# Altium PCB Main.PcbDoc (part 2 of 2)
Units mil, origin at the board's own origin, x right, y up, seen from the top; angles counter-clockwise.
Board outline 3937.01 x 2322.83 mil, 4 copper layers (Top Layer, GND, Power, Bottom Layer), stack 23.756 mil thick; 61 components, 101 nets, 394 pads, 153 vias.
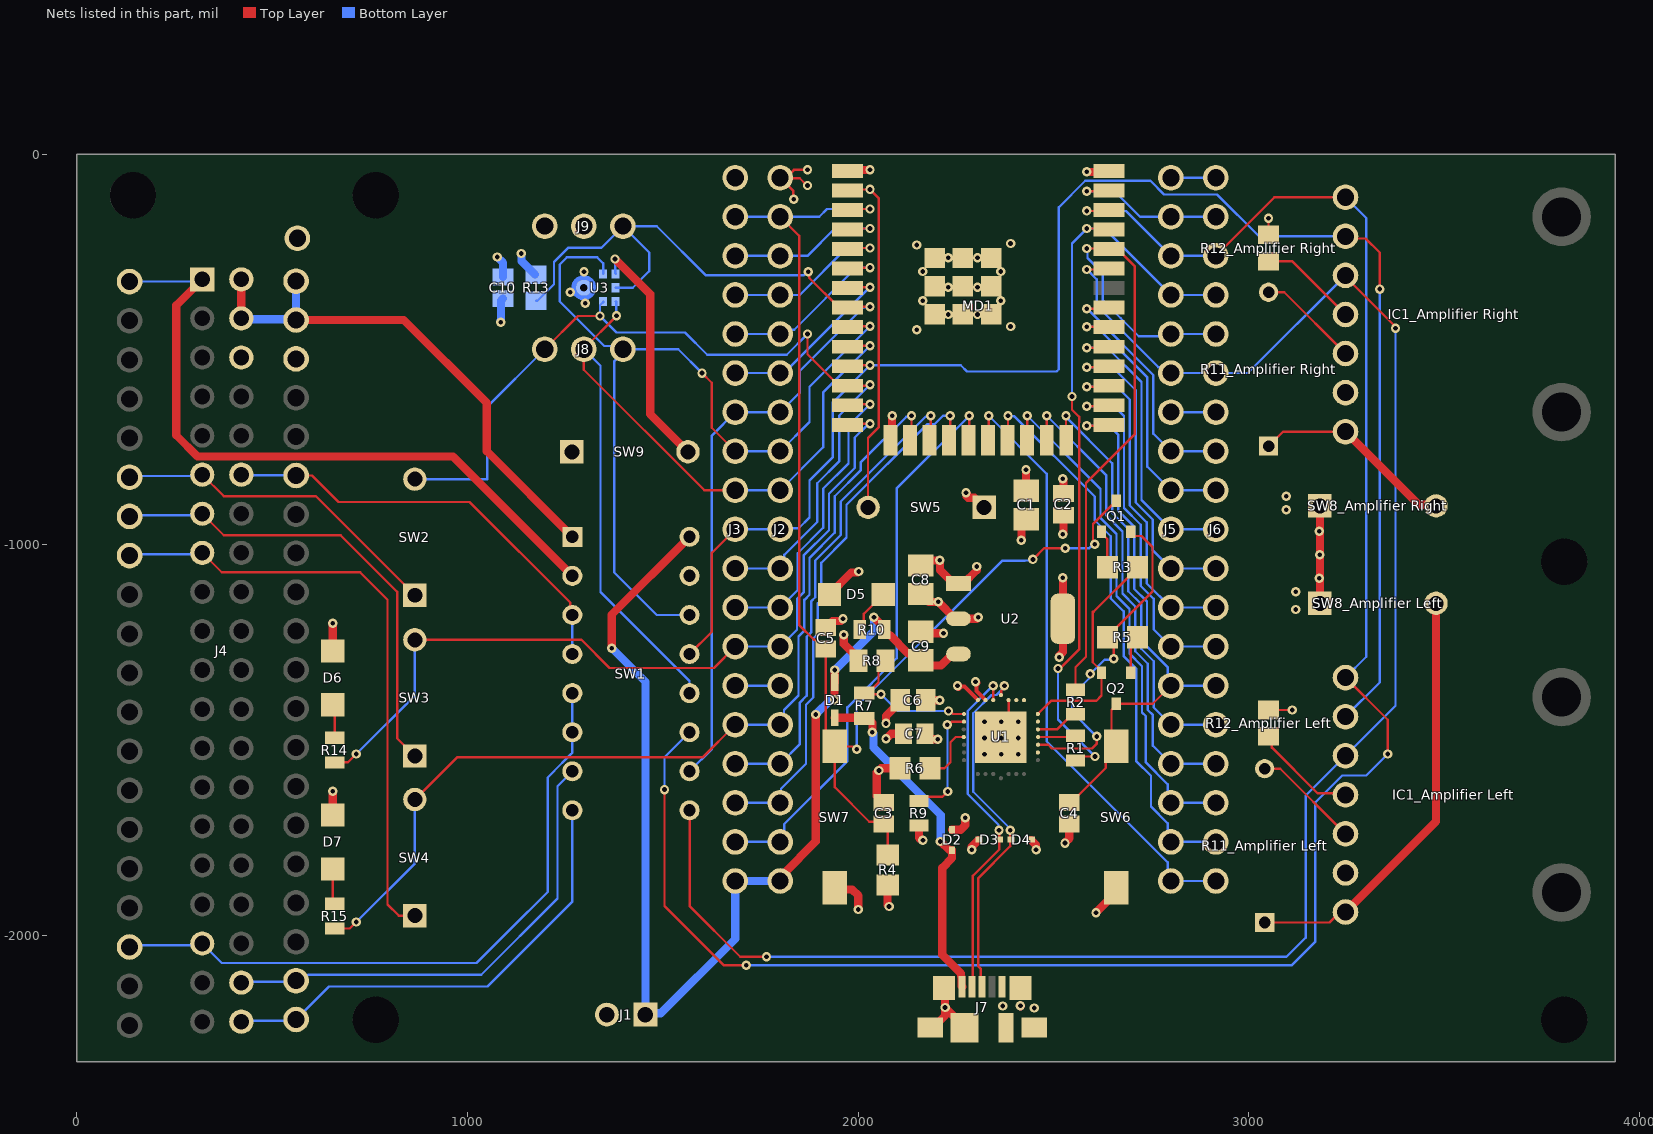
[diagram p4: the nets of this part, all layers, seen from the top]

## Via types
v1: diameter 24, hole 12, Top Layer to Bottom Layer, 153 vias

## Nets (pads, with @x,y where several pads share a name; then routed paths per layer and width w, separated by ;. In a path a pad name is that pad's centre, name@x,y a point inside that pad or via, vN(x,y) a via of type N, cw(c..) or ccw(c..) an arc to the next point about the centre after c; other vN are vias at no path point) (continued)
+3.3: C1.2 C2.2 C6.1 C7.2 C8.2 C10.1 J2.1 J3.1 J9.2 R4.2 R9.2 SW1.15 SW5.1 SW9.1 U1.6 U1.7 U2.2 U2.4 | length 1115.6
  Top Layer w6: J2.1@1800.04,-60 1833.8,-93.8 1833.8,-113.8 v1(1835,-115) ; J2.1@1800.04,-60 J2.1@1815.07,-60 ; v1(1870,-80) 1868.61,-80 1850.21,-61.6 1816.67,-61.6 J2.1@1815.07,-60 ; v1(1870,-40) 1835.07,-40 J2.1@1815.07,-60 ; v1(2275.63,-866.14) v1@2277.52,-868.03 ; v1@2277.52,-875.91 2280.55,-878.94 ; SW5.1@2297.36,-878.94 SW5.1@2322.28,-903.86 ; v1@2303.31,-1188.86 v1(2307.13,-1185.04) ; C1.2@2429.17,-860.16 C1.2@2430.04,-861.02 ; v1(2514.17,-1287.4) v1@2514.17,-1283.61 ; v1(2523.66,-830.71) v1@2525.04,-832.09
  Top Layer w10: v1@2256.68,-1362.68 2271.58,-1362.68 U1.7@2305.98,-1397.09 ; v1@2302.68,-1352.68 2302.68,-1374.1 U1.6@2325.67,-1397.09
  Top Layer w21: J9.2@1297.52,-184.06 J9.2@1306.04,-175.53 ; R4.2@2075.04,-1869.99 2075.04,-1921.46 v1(2078.78,-1925.2) ; R9.2@2155.04,-1718.07 2155.04,-1749.49 v1@2157.52,-1751.97 ; C8.2@2160.04,-1125.28 2180.43,-1145.67 v1(2204.76,-1145.67) 2204.76,-1146.48 2247.14,-1188.86 U2.2@2256.38,-1188.86 v1@2303.31,-1188.86 ; C7.2@2170.31,-1483.27 2184.05,-1497 v1(2203,-1497) ; C6.1@2172.31,-1397.64 v1(2208.7,-1397.64) ; v1(2254,-1360) v1@2256.68,-1362.68 ; v1@2277.52,-875.91 v1@2277.52,-868.03 ; 2280.55,-878.94 SW5.1@2297.36,-878.94 ; v1(2300,-1350) v1@2302.68,-1352.68 ; C1.2@2429.17,-860.16 v1(2429.17,-807.09) ; v1@2514.17,-1283.61 2523.7,-1274.08 U2.4@2523.7,-1188.86 v1(2523.7,-1083.7) ; C2.2@2525.04,-868.74 v1@2525.04,-832.09
  Bottom Layer w21: v1@1085,-425 1085.57,-424.43 1085.57,-373.99 C10.1@1090.47,-369.09
  other v1: 2165.39,-1755.91 1085,-430
+5: "SW8_Amplifier Left.1" "SW8_Amplifier Right.1" C9.2 D1.1 J1.1 J2.19 J3.19 pad.41 R10.2 SW1.16 U2.3 | length 3227.9
  Top Layer w6: J2.19@1800.04,-1860 J2.19@1808.31,-1851.73
  Top Layer w21: v1(1369,-1264) 1369,-1178.32 SW1.16@1568.19,-979.13 ; J2.19@1808.31,-1851.73 1808.31,-1841.69 1891,-1759 v1(1891,-1434) ; v1(1939,-1396) D1.1@1939,-1352.72 ; D1.1@1940,-1351.72 v1(1940,-1320) ; v1@2040.57,-1185.57 R10.2@2069.06,-1214.06 ; R10.2@2066.54,-1216.57 2066.54,-1225.43 2071.78,-1230.68 2080.64,-1230.68 2127.19,-1277.23 2142,-1277.23 C9.2@2160.04,-1295.28 2173.05,-1308.28 2211.72,-1308.28 2240.98,-1279.02 U2.3@2256.38,-1279.02 ; 3181.42,-1149.37 3181.42,-900
  Bottom Layer w6: J1.1@1455,-2201.91 J1.1@1458.57,-2198.35
  Bottom Layer w21: v1(1369,-1264) 1455,-1350 J1.1@1455,-2201.91 ; J1.1@1458.57,-2198.35 1494.65,-2198.35 1685.04,-2007.96 J3.19@1685.04,-1860 J2.19@1800.04,-1860 ; v1(1891,-1434) 1928.43,-1396.57 1938.43,-1396.57 v1(1939,-1396) ; v1(1940,-1320) 2040,-1220 v1(2040,-1185)
  other v1: 3120,-1165 3120,-1120 3180,-1085 3181.42,-1024.68 3180,-965 3095,-910 3095,-875
"BCLK_Amplifier Left": "IC1_Amplifier Left.2" "IC1_Amplifier Right.2" J2.10 J3.10 MD1.11 SW1.13 | length 4139.1
  Top Layer w6: SW1.13@1568.19,-1279.13 1625.24,-1222.08 1625.24,-1019.8 J3.10@1685.04,-960 ; MD1.11@1972.52,-542.48 1975,-540 v1(2030,-540) ; 3246.89,-210 3252.34,-215.45 3298.45,-215.45 3335,-252 v1(3335,-345)
  Bottom Layer w6: J3.10@1685.04,-960 J2.10@1800.04,-960 1802.85,-957.18 1847.82,-957.18 1875,-930 1875,-835 1935,-775 1935,-635 v1(2030,-540) 2262.47,-540 2278.47,-556 2507.14,-556 2513,-550.14 2513,-135.89 2580.89,-68 2747.55,-68 2782.32,-102.78 2918.31,-102.78 3025.53,-210 3246.89,-210 ; 3246.89,-1439.37 3335,-1351.26 v1(3335,-345)
CLK: J5.19 J6.19 MD1.20 | length 1562.1
  Top Layer w6: MD1.20@2332.17,-731.85 2333.81,-730.21 v1(2333.81,-669.29)
  Bottom Layer w6: v1(2333.81,-669.29) 2482,-817.48 2482,-1502.45 2791.77,-1812.22 2791.77,-1851.73 J5.19@2800.04,-1860 J6.19@2915.04,-1860
CMD: J2.18 J3.18 MD1.19 | length 1469.8
  Top Layer w6: MD1.19@2282.17,-731.85 2284.38,-729.64 v1(2284.38,-669.29)
  Bottom Layer w6: J3.18@1685.04,-1760 J2.18@1800.04,-1760 1810.67,-1749.37 1810.67,-1714.34 1972,-1553.01 1972,-1415.67 2098,-1289.67 2098,-855.67 v1(2284.38,-669.29)
CTS: U1.23
DCD: U1.1
"DIN_Amplifier Left": "IC1_Amplifier Left.3" "IC1_Amplifier Right.3" J5.6 J6.6 MD1.33 SW1.9 | length 4711.6
  Top Layer w6: SW1.9@1568.19,-1679.13 1568.19,-1924.19 1698,-2054 v1(1765,-2054) ; v1(2585,-295) 2639.29,-295 MD1.33@2641.81,-292.48 ; 3246.89,-310 3246.89,-313.44 3375,-441.56 v1(3375,-445)
  Bottom Layer w6: v1(1765,-2054) 3096,-2054 3145,-2005 3145,-1641.26 3246.89,-1539.37 3375,-1411.26 v1(3375,-445) ; v1(2585,-295) 2610.28,-320.28 2610.28,-387.28 2767.74,-544.74 2769.74,-544.74 2785.01,-560 J5.6@2800.04,-560 J6.6@2915.04,-560 2996.89,-560 3246.89,-310
DSR: U1.27
DTR: Q2.2 R3.2 U1.28 | length 569.7
  Top Layer w6: U1.28@2459.53,-1432.52 2493.05,-1399 2609,-1399 2622.64,-1385.36 Q2.2@2622.64,-1326.81 2622.64,-1322.87 2600,-1300.24 2600,-1170.53 2602.61,-1170.53 2714.46,-1058.69 R3.2@2714.46,-1056.57
EN: C3.2 C5.1 J2.2 J3.2 MD1.3 Q1.3 R4.1 SW7.2 | length 3270.2
  Top Layer w6: J2.2@1800.04,-160 1848.48,-208.44 1848.48,-1204.85 1886.28,-1242.65 1888.61,-1242.65 1912.08,-1266.12 C5.1@1917,-1266.12 1917,-1492.63 SW7.2@1940.04,-1515.67 ; MD1.3@1972.52,-142.48 1975,-140 v1(2030,-140) ; v1(1996,-1523) 1992.21,-1523 1984.88,-1515.67 SW7.2@1940.04,-1515.67 ; R4.1@2075.04,-1793.16 2075.04,-1724.13 2059.19,-1708.29 2028.29,-1708.29 1940.04,-1620.04 SW7.2@1940.04,-1515.67 ; v1(2447,-1037) 2476,-1008 v1(2530,-1008) ; v1(2605,-998.06) 2605,-994.27 2600.83,-990.1 2600.83,-946.45 2649.72,-897.56 2653.23,-897.56 2660.04,-890.75 Q1.3@2660.04,-887.24
  Bottom Layer w6: J3.2@1685.04,-160 1900,-160 1920,-140 v1(2030,-140) ; v1(1996,-1523) 1996,-1412.89 2368.89,-1040 2426,-1040 2426.32,-1039.68 2444.32,-1039.68 v1(2447,-1037) ; v1(2530,-1008) 2591.27,-1008 2601.21,-998.06 v1(2605,-998.06)
GND: "IC1_Amplifier Left.6" "IC1_Amplifier Right.6" "R12_Amplifier Left.1" "R12_Amplifier Right.1" C1.1 C2.1 C3.1 C4.2 C5.2 C6.2 C7.1 C8.1 C9.1 C10.2 D2.1 D3.1 D4.1 D5.1 D6.1 D7.1 J1.2 J2.14 J3.14 J4.6 J5.1 J5.7 J6.1 J6.7 J7.5 J7.6 J7.7 J7.8 J7.9 J7.10 J7.11 J9.1 MD1.1 MD1.15 MD1.38 MD1.39 pad.6 R6.1 R8.1 R13.2 SW6.1 SW7.1 U1.3 U1.29 U2.1 U3.3 | length 2402.7
  Top Layer w6: C5.2@1917,-1211 C5.2@1933.65,-1194.35 ; v1@1955.65,-1194.35 v1(1961,-1189) ; MD1.1@1972.52,-42.48 MD1.1@1975,-40 ; v1@1998.32,-1070.68 v1(2001,-1068) ; R8.1@2000.59,-1296.57 R8.1@2000.59,-1290.67 ; MD1.15@2082.17,-731.85 MD1.15@2086.65,-727.36 ; C6.2@2107.29,-1401.61 C6.2@2107.29,-1397.64 ; C9.1@2160.04,-1222.44 C9.1@2163.6,-1226 ; U2.1@2262.8,-1098.7 U2.1@2269.22,-1098.7 ; v1@2303.19,-1064.73 v1@2303.19,-1062.99 ; U1.29@2365.04,-1491.57 2384.72,-1471.89 U1.3@2384.72,-1397.09 ; C1.1@2417.36,-946.54 C1.1@2430.04,-933.86 ; v1(2523.66,-972.44) v1@2525.04,-971.06 ; MD1.38@2639.29,-45 MD1.38@2641.81,-42.48 ; 3050.04,-1422.38 v1(3110.38,-1422.38) ; 3050.04,-206.5 v1(3050.04,-163.96)
  Top Layer w21: D7.1@655,-1691.1 v1@655,-1640 ; D6.1@655,-1271.1 v1(655,-1200) ; D5.1@1926.14,-1126.57 1982.04,-1070.68 v1@1998.32,-1070.68 ; C5.2@1933.65,-1194.35 v1@1955.65,-1194.35 ; SW7.1@1940.04,-1877.48 1944.45,-1881.89 1984.29,-1881.89 2000.04,-1897.64 v1(2000.04,-1933.07) ; v1(1963,-1230) 1963,-1253.08 R8.1@2000.59,-1290.67 ; MD1.1@1975,-40 v1(2030,-40) ; C3.1@2065.04,-1659.02 2063.94,-1659.02 2047.28,-1642.36 2047.28,-1582.68 v1(2052.83,-1577.13) 2058.39,-1571.57 R6.1@2106.62,-1571.57 ; v1(2070.91,-1496.06) 2083.7,-1483.27 C7.1@2115.2,-1483.27 ; v1@2070.91,-1448.82 2070.91,-1437.99 C6.2@2107.29,-1401.61 ; MD1.15@2086.65,-727.36 v1(2086.65,-669.29) ; C8.1@2160.04,-1052.44 2173.11,-1039.37 v1@2200.83,-1039.37 ; C9.1@2163.6,-1226 v1(2218,-1226) ; J7.8@2184.19,-2235.38 2191.08,-2235.38 2221.59,-2204.87 2221.59,-2184.35 v1(2222.16,-2183.78) ; v1(2208.7,-1039.37) 2209.27,-1039.94 2209.27,-1064.44 2243.54,-1098.7 U2.1@2256.38,-1098.7 U2.1@2262.8,-1098.7 ; J7.6@2219.13,-2134 2221.59,-2136.45 2221.59,-2183.21 v1(2222.16,-2183.78) ; D2.1@2240,-1729.02 2261.98,-1729.02 2274,-1717 v1(2274,-1698) ; U2.1@2269.22,-1098.7 v1@2303.19,-1064.73 ; J7.9@2271.79,-2235.38 2271.79,-2233.41 v1(2222.16,-2183.78) ; v1(2290,-1780) 2290,-1772.44 2307.44,-1755 D3.1@2309.02,-1755 ; v1@2415,-2180.75 v1(2415,-2179) ; v1(2417.36,-988.19) C1.1@2417.36,-946.54 ; D4.1@2440.98,-1755 2442.56,-1755 2455,-1767.44 v1(2455,-1780) ; J7.11@2443.05,-2235.38 J7.11@2449.94,-2235.38 ; v1@2525.04,-971.06 C2.1@2525.04,-923.86 ; v1(2529,-1763) 2529,-1761.71 2540.04,-1750.68 C4.2@2540.04,-1714.13 ; v1(2585,-45) MD1.38@2639.29,-45 ; v1(2608.39,-1940.94) 2660.04,-1889.29 SW6.1@2660.04,-1877.48
  Bottom Layer w6: R13.2@1172.37,-308.04 R13.2@1175.47,-308.04 ; J3.14@1685.04,-1360 J2.14@1800.04,-1360 ; J5.7@2800.04,-660 J6.7@2915.04,-660 ; J5.1@2800.04,-60 J6.1@2915.04,-60
  Bottom Layer w21: v1(1076,-263) 1090.47,-277.47 C10.2@1090.47,-313.98 ; v1@1138,-264 1138,-273.67 R13.2@1172.37,-308.04
  other v1: 2450,-2185 2370,-2180 655,-1630 2322.87,-1535.43 2366.18,-1535.43 2409.49,-1535.43 2322.87,-1494.09 2366.18,-1494.09 2409.49,-1494.09 2070.91,-1456.69 2322.87,-1452.76 2366.18,-1452.76 2409.49,-1452.76 2303.19,-1055.12 2149.65,-448.82 2389.8,-440.94 2230,-410 2305,-410 1301,-381 2165,-375 2365,-375 1263,-353 2230,-340 2305,-340 1298,-301 2165,-300 2365,-300 2230,-265 2305,-265 1137,-254 2149.65,-232.28 2389.8,-228.35
IO0: C4.1 J5.14 J6.14 MD1.25 Q2.3 SW6.2 | length 1435.1
  Top Layer w6: C4.1@2540.04,-1659.02 2544.96,-1659.02 2633.54,-1570.43 2633.54,-1542.17 SW6.2@2660.04,-1515.67 2648,-1503.63 2648,-1422.32 2660.04,-1410.28 Q2.3@2660.04,-1406.34 2753.7,-1406.34 J5.14@2800.04,-1360 ; v1(2585,-695) 2639.29,-695 MD1.25@2641.81,-692.48
  Bottom Layer w6: v1(2585,-695) 2642.57,-695 2665,-717.43 2665,-911.96 2706.04,-953 2706.04,-1112.04 2739,-1145 2739,-1259.45 2791.77,-1312.22 2791.77,-1351.73 J5.14@2800.04,-1360 J6.14@2915.04,-1360
IO2: J5.15 J6.15 MD1.24 | length 1079.7
  Top Layer w6: v1(2531.54,-669.29) 2531.54,-731.22 MD1.24@2532.17,-731.85
  Bottom Layer w6: v1(2531.54,-669.29) 2531.54,-672.65 2650,-791.11 2650,-918.17 2691.04,-959.21 2691.04,-1118.25 2724,-1151.21 2724,-1265.67 2756.04,-1297.71 2756.04,-1416 J5.15@2800.04,-1460 J6.15@2915.04,-1460
IO4: J5.13 J6.13 MD1.26 | length 917.9
  Top Layer w6: v1(2585,-645) 2639.29,-645 MD1.26@2641.81,-642.48
  Bottom Layer w6: v1(2585,-645) 2655,-645 2680,-670 2680,-905.17 2723.04,-948.21 2723.04,-1105 2756.04,-1138 2756.04,-1216 J5.13@2800.04,-1260 J6.13@2915.04,-1260
IO5: J5.10 J6.10 MD1.29 | length 757.4
  Top Layer w6: v1(2585,-495) 2639.29,-495 MD1.29@2641.81,-492.48
  Bottom Layer w6: v1(2585,-495) 2637,-495 2725,-583 2725,-884.96 J5.10@2800.04,-960 J6.10@2915.04,-960
IO12: J2.13 J3.13 MD1.14 R14.2 SW3.2 | length 2131.8
  Top Layer w6: R14.2@660,-1556.5 693.5,-1556.5 v1(715,-1535) ; SW3.2@865.04,-1242.76 1291.62,-1242.76 1363.59,-1314.72 1630.31,-1314.72 J3.13@1685.04,-1260 ; MD1.14@1972.52,-692.48 1975,-690 v1(2030,-690)
  Bottom Layer w6: v1(715,-1535) 865.04,-1384.96 SW3.2@865.04,-1242.76 ; J3.13@1685.04,-1260 J2.13@1800.04,-1260 1843,-1217.04 1843,-1138.25 1860,-1121.25 1860,-1027.21 1925,-962.21 1925,-869 1991,-803 1991,-725.21 2026.21,-690 v1(2030,-690)
IO13: J2.15 J3.15 MD1.16 R15.2 SW4.2 | length 2452
  Top Layer w6: R15.2@660,-1981.5 698.5,-1981.5 v1(715,-1965) ; SW4.2@865.04,-1651.38 972.87,-1543.54 1601.5,-1543.54 J3.15@1685.04,-1460 ; MD1.16@2132.17,-731.85 2136.09,-727.93 v1(2136.09,-669.29)
  Bottom Layer w6: v1(715,-1965) 865.04,-1814.96 SW4.2@865.04,-1651.38 ; J3.15@1685.04,-1460 J2.15@1800.04,-1460 1809.96,-1450.08 1809.96,-1422.36 1847,-1385.32 1847,-1234.25 1862,-1219.25 1862,-1140.47 1875,-1127.47 1875,-1033.43 1940,-968.43 1940,-875.21 2006,-809.21 2006,-789 2123.03,-671.97 2133.41,-671.97 v1(2136.09,-669.29)
IO14: J2.12 J3.12 MD1.13 | length 788.8
  Top Layer w6: MD1.13@1972.52,-642.48 1975,-640 v1(2030,-640)
  Bottom Layer w6: J3.12@1685.04,-1160 J2.12@1800.04,-1160 1845,-1115.04 1845,-1021 1910,-956 1910,-856.21 1975,-791.21 1975,-695 v1(2030,-640)
IO15: J5.16 J6.16 MD1.23 | length 1200
  Top Layer w6: v1(2482.1,-669.29) 2482.1,-731.79 MD1.23@2482.17,-731.85
  Bottom Layer w6: v1(2482.1,-669.29) 2635,-822.19 2635,-924.39 2676.04,-965.43 2676.04,-1124.47 2709,-1157.43 2709,-1271.88 2741.04,-1303.92 2741.04,-1422.21 2754,-1435.17 2754,-1513.96 J5.16@2800.04,-1560 J6.16@2915.04,-1560
IO16: J5.12 J6.12 MD1.27 | length 872
  Top Layer w6: v1(2585,-595) 2639.29,-595 MD1.27@2641.81,-592.48
  Bottom Layer w6: v1(2585,-595) 2662,-595 2695,-628 2695,-898.96 2738.04,-942 2738.04,-1098 J5.12@2800.04,-1160 J6.12@2915.04,-1160
IO17: J5.11 J6.11 MD1.28 | length 815.6
  Top Layer w6: v1(2585,-545) 2639.29,-545 MD1.28@2641.81,-542.48
  Bottom Layer w6: v1(2585,-545) 2651,-545 2710,-604 2710,-891.17 2754,-935.17 2754,-1013.96 J5.11@2800.04,-1060 J6.11@2915.04,-1060
IO18: J5.9 J6.9 MD1.30 | length 694.8
  Top Layer w6: v1(2585,-441.24) 2640.57,-441.24 MD1.30@2641.81,-442.48
  Bottom Layer w6: v1(2585,-441.24) 2610.03,-441.24 2740,-571.21 2740,-799.96 J5.9@2800.04,-860 J6.9@2915.04,-860
IO19: J5.8 J6.8 MD1.31 | length 626.9
  Top Layer w6: v1(2585,-395) 2639.29,-395 MD1.31@2641.81,-392.48
  Bottom Layer w6: v1(2585,-395) 2755,-565 2755,-714.96 J5.8@2800.04,-760 J6.8@2915.04,-760
IO22: "IC1_Amplifier Left.1" "IC1_Amplifier Right.1" J5.3 J6.3 MD1.36 SW1.11 | length 5161.6
  Top Layer w6: v1(1504,-1626) 1504,-1924 1656,-2076 v1(1713,-2076) ; v1(2585,-145) 2639.29,-145 MD1.36@2641.81,-142.48 ; J6.3@2915.04,-260 3065.04,-110 3246.89,-110 ; 3246.89,-1339.37 3355,-1447.48 v1(3355,-1535)
  Bottom Layer w6: v1(1504,-1626) 1504,-1543.32 SW1.11@1568.19,-1479.13 ; v1(1713,-2076) 3109,-2076 3170,-2015 3170,-1658.59 3238.59,-1590 3300,-1590 v1(3355,-1535) ; v1(2585,-145) 2685.04,-145 J5.3@2800.04,-260 J6.3@2915.04,-260 ; 3246.89,-1339.37 3300,-1286.26 3300,-163.11 3246.89,-110
IO23: J5.2 J6.2 MD1.37 | length 414.8
  Top Layer w6: v1(2585,-95) 2639.29,-95 MD1.37@2641.81,-92.48
  Bottom Layer w6: v1(2585,-95) 2656.25,-95 2721.25,-160 J5.2@2800.04,-160 J6.2@2915.04,-160
IO25: J2.9 J3.9 J8.2 MD1.10 SW1.12 U3.1 | length 2356.1
  Top Layer w6: v1(1381,-413) 1381,-414.27 1297.52,-497.75 J8.2@1297.52,-499.02 1297.52,-551.42 1606.1,-860 J3.9@1685.04,-860 ; MD1.10@1972.52,-492.48 1975,-490 v1(2030,-490)
  Bottom Layer w6: J8.2@1297.52,-499.02 1340,-541.5 1340,-1120 1568.06,-1348.06 1568.06,-1379 SW1.12@1568.19,-1379.13 ; U3.1@1379.17,-376.97 1380.09,-377.88 1380.09,-412.09 v1(1381,-413) ; J3.9@1685.04,-860 J2.9@1800.04,-860 1910,-750.04 1910,-610 v1(2030,-490)
IO27: J2.11 J3.11 J8.1 MD1.12 SW2.2 U3.2 | length 2315.8
  Top Layer w6: J8.1@1197.52,-499.02 1282.54,-414 v1(1339,-414) ; v1(1870,-460) 1870,-511.61 1950.87,-592.48 MD1.12@1972.52,-592.48 2027.52,-592.48 v1(2030,-590)
  Bottom Layer w6: SW2.2@865.04,-831.38 1050.04,-831.38 1050.04,-646.5 J8.1@1197.52,-499.02 ; U3.2@1346.81,-376.97 1346.81,-378.5 1339,-386.31 v1(1339,-414) 1381.24,-456.24 1556.63,-456.24 1613.39,-513 1817,-513 v1(1870,-460) ; J3.11@1685.04,-1060 J2.11@1800.04,-1060 1810.67,-1049.37 1810.67,-1025.33 1895,-941 1895,-842 1951,-786 1951,-669 v1(2030,-590)
IO32: J2.7 J3.7 J9.3 MD1.8 R13.1 SW1.10 U3.6 | length 2772.1
  Top Layer w6: v1(1872,-301) 1874.68,-303.68 1874.68,-316.29 1950.87,-392.48 MD1.8@1972.52,-392.48 1975,-390 v1(2030,-390)
  Bottom Layer w6: R13.1@1175.47,-375.03 1178.57,-375.03 1221,-332.6 1221,-275.79 1257.19,-239.59 1341.98,-239.59 J9.3@1397.52,-184.06 ; U3.6@1379.17,-341.54 1422.61,-341.54 1465,-299.14 1465,-251.54 J9.3@1397.52,-184.06 ; SW1.10@1568.19,-1579.13 1625.24,-1522.08 1625.24,-719.8 J3.7@1685.04,-660 J2.7@1800.04,-660 1850,-610.04 1850,-555 2013.41,-391.59 2028.41,-391.59 v1(2030,-390) ; v1(1872,-301) 1868.49,-301 1859.49,-310 1610,-310 1484.06,-184.06 J9.3@1397.52,-184.06
IO33: J2.8 J3.8 J8.3 MD1.9 SW1.14 U3.4 | length 2329.2
  Top Layer w6: v1(1600,-560) 1625,-585 1625,-699.96 J3.8@1685.04,-760 ; MD1.9@1972.52,-442.48 1975,-440 v1(2030,-440)
  Bottom Layer w6: U3.4@1346.81,-306.1 1346.81,-278.81 1332,-264 1254,-264 1236,-282 1236,-377 1349.74,-490.75 1389.25,-490.75 J8.3@1397.52,-499.02 ; SW1.14@1568.19,-1179.13 1484.13,-1179.13 1375,-1070 1375,-530.61 1397.52,-508.09 J8.3@1397.52,-499.02 ; v1(1600,-560) 1539.02,-499.02 J8.3@1397.52,-499.02 ; J3.8@1685.04,-760 J2.8@1800.04,-760 1875,-685.04 1875,-595 v1(2030,-440)
IO34: J2.5 J3.5 MD1.6 | length 473.9
  Top Layer w6: MD1.6@1972.52,-292.48 1975,-290 v1(2030,-290)
  Bottom Layer w6: J3.5@1685.04,-460 J2.5@1800.04,-460 1811.1,-448.94 1836.06,-448.94 1995,-290 v1(2030,-290)
IO35: J2.6 J3.6 MD1.7 | length 494.6
  Top Layer w6: MD1.7@1972.52,-342.48 1975,-340 v1(2030,-340)
  Bottom Layer w6: J3.6@1685.04,-560 1810,-560 v1(2030,-340)
NetD5_2: D5.2 R10.1 | length 115
  Top Layer w6: R10.1@2003.54,-1216.57 2014.29,-1205.83 2014.29,-1176.22 D5.2@2063.94,-1126.57
NetD6_2: D6.2 R14.1 | length 86.7
  Top Layer w6: D6.2@655,-1408.9 660,-1413.9 R14.1@660,-1493.5
NetD7_2: D7.2 R15.1 | length 91.7
  Top Layer w6: D7.2@655,-1828.9 655,-1913.5 R15.1@660,-1918.5
"NetIC1_Amplifier Left_4": "IC1_Amplifier Left.4" "R12_Amplifier Left.2" | length 271.1
  Top Layer w6: 3050.04,-1489.37 3058.57,-1497.9 3058.57,-1518.57 3175.34,-1635.34 3242.86,-1635.34 3246.89,-1639.37
"NetIC1_Amplifier Left_5": "IC1_Amplifier Left.5" "R11_Amplifier Left.2" | length 276
  Top Layer w6: 3040.04,-1572.52 3080.04,-1572.52 3246.89,-1739.37
"NetIC1_Amplifier Right_4": "IC1_Amplifier Right.4" "R12_Amplifier Right.2" | length 253.4
  Top Layer w6: 3050.04,-273.5 3110.39,-273.5 3246.89,-410
"NetIC1_Amplifier Right_5": "IC1_Amplifier Right.5" "R11_Amplifier Right.2" | length 261.8
  Top Layer w6: 3050.04,-353.15 3090.04,-353.15 3246.89,-510
NetJ4_1: J4.1 pad.1 SW1.2 | length 1777.9
  Top Layer w21: J4.1@320.91,-320.08 254.41,-386.57 254.41,-719.21 308.87,-773.67 962.73,-773.67 SW1.2@1268.19,-1079.13
  Bottom Layer w6: pad.1@134.88,-325.79 315.2,-325.79 J4.1@320.91,-320.08
NetJ4_2: J4.2 J4.4 pad.2 pad.4 SW1.1 | length 1350.6
  Top Layer w21: J4.4@420.91,-420.08 J4.2@420.91,-320.08 ; pad.4@561.06,-424.27 836.65,-424.27 1049.14,-636.75 1049.14,-760.08 SW1.1@1268.19,-979.13
  Bottom Layer w6: J4.4@420.91,-420.08 J4.4@423,-422.17 ; pad.4@558.97,-422.17 pad.4@561.06,-424.27
  Bottom Layer w21: J4.4@423,-422.17 pad.4@558.97,-422.17 ; pad.4@561.06,-424.27 pad.2@561.06,-324.8
NetJ4_11: J4.11 pad.11 SW2.1 | length 860.7
  Top Layer w6: J4.11@320.91,-820.08 375.83,-875 611.42,-875 SW2.1@865.04,-1128.62
  Bottom Layer w6: pad.11@134.88,-826.72 138.2,-823.4 317.59,-823.4 J4.11@320.91,-820.08
NetJ4_12: J4.12 pad.12 SW1.3 SW1.4 | length 1116.1
  Top Layer w6: J4.12@420.91,-820.08 J4.12@424.39,-823.57 ; pad.12@561.06,-822.11 602.11,-822.11 670,-890 1005,-890 1263.06,-1148.06 1263.06,-1174 SW1.3@1268.19,-1179.13
  Bottom Layer w6: J4.12@420.91,-820.08 421.92,-821.09 560.05,-821.09 pad.12@561.06,-822.11 ; SW1.4@1268.19,-1279.13 SW1.3@1268.19,-1179.13
NetJ4_13: J4.13 pad.13 SW3.1 | length 1209.4
  Top Layer w6: J4.13@320.91,-920.08 375.83,-975 675,-975 820,-1120 820,-1494.96 SW3.1@865.04,-1540
  Bottom Layer w6: pad.13@134.88,-926.91 138.3,-923.49 317.49,-923.49 J4.13@320.91,-920.08
NetJ4_15: J4.15 pad.15 SW4.1 | length 1574.6
  Top Layer w6: J4.15@320.91,-1020.08 370.83,-1070 725,-1070 795,-1140 795,-1920 823.62,-1948.62 SW4.1@865.04,-1948.62
  Bottom Layer w6: pad.15@134.88,-1027.09 138.39,-1023.59 317.4,-1023.59 J4.15@320.91,-1020.08
NetJ4_35: J4.35 pad.35 SW1.5 SW1.6 | length 1704.9
  Bottom Layer w6: pad.35@134.88,-2028.96 139.32,-2024.52 316.47,-2024.52 J4.35@320.91,-2020.08 370.83,-2070 1023,-2070 1106,-1987 1204.99,-1888.01 1204.99,-1635.01 1205,-1595 1242.45,-1557.55 cw(c1268.19,-1579.13) 1244.54,-1555.27 1264.67,-1535.33 1268.19,-1531.81 SW1.6@1268.19,-1479.13 SW1.5@1268.19,-1379.13
NetJ4_38: J4.38 pad.38 SW1.7 | length 1239.9
  Bottom Layer w6: J4.38@420.91,-2120.08 423.39,-2117.59 558.58,-2117.59 pad.38@561.06,-2115.11 577.18,-2115.11 592.28,-2100 1035,-2100 1230,-1905 1230,-1617.32 SW1.7@1268.19,-1579.13
NetJ4_40: J4.40 pad.40 SW1.8 | length 1208.2
  Bottom Layer w6: J4.40@420.91,-2220.08 423.66,-2217.32 558.31,-2217.32 pad.40@561.06,-2214.57 645.63,-2130 1051,-2130 1268.19,-1912.81 SW1.8@1268.19,-1679.13
NetMD1_2: MD1.2 SW5.2 | length 892.6
  Top Layer w6: MD1.2@1972.52,-92.48 1975,-90 v1(2030,-90) 2052,-112 2052,-699.11 2025.04,-726.07 SW5.2@2025.04,-903.86
NetQ1_1: Q1.1 R3.1 | length 96.4
  Top Layer w6: Q1.1@2622.64,-966.34 2622.64,-970.28 2637.62,-985.26 R3.1@2637.62,-1056.57
NetQ2_1: Q2.1 R5.1 | length 97.3
  Top Layer w6: Q2.1@2697.44,-1326.81 2697.44,-1253.59 R5.1@2714.46,-1236.57
NetR6_2: R6.2 U1.11 | length 149.5
  Top Layer w6: R6.2@2183.46,-1571.57 2220.43,-1571.57 2236,-1556 2236,-1505 2249.43,-1491.57 U1.11@2269.94,-1491.57
NetR7_2: R7.2 R8.2 U1.8 | length 377.8
  Top Layer w6: R7.2@2015.04,-1379.09 2024.88,-1379.09 2051.85,-1352.13 2051.85,-1314.21 R8.2@2069.49,-1296.57 ; R7.2@2024.88,-1381 2025.88,-1382 v1(2058,-1382) ; v1(2231,-1425) 2234.79,-1425 2242.31,-1432.52 U1.8@2270.55,-1432.52
  Bottom Layer w6: v1(2058,-1382) 2101,-1425 v1(2231,-1425)
NetR9_1: R9.1 U1.9 | length 301.1
  Top Layer w6: R9.1@2155.04,-1655.08 2165.79,-1644.33 2215.67,-1644.33 v1(2229,-1631) ; v1(2228,-1460) 2231.79,-1460 2239.58,-1452.2 U1.9@2270.55,-1452.2
  Bottom Layer w6: v1(2228,-1460) 2228.5,-1460.5 2228.5,-1630.5 v1(2229,-1631)
NetSW9_2: SW9.2 U3.5 | length 609.7
  Top Layer w21: v1(1377.45,-268) 1467.34,-357.89 1467.34,-664.78 SW9.2@1564.09,-761.54
  Bottom Layer w6: v1(1377.45,-268) 1378.31,-268.86 1378.31,-305.24 U3.5@1379.17,-306.1
RI: U1.2
RTS: Q1.2 R5.2 U1.24 | length 881.7
  Top Layer w6: U1.24@2460.14,-1511.26 2486.26,-1511.26 2496,-1521 2598,-1521 2610,-1509 v1(2610,-1490) ; v1(2654,-1291) 2654,-1252.95 R5.2@2637.62,-1236.57 2637.62,-1234.46 2753,-1119.08 2753,-1004.86 2725.23,-977.09 2704.25,-977.09 2697.44,-970.28 Q1.2@2697.44,-966.34
  Bottom Layer w6: v1(2593.83,-1330) v1@2597.91,-1334.09 ; v1(2610,-1490) 2548,-1428 2548,-1384 2591.15,-1340.85 2591.15,-1336.47 2593.53,-1334.09 v1@2597.91,-1334.09 ; v1(2654,-1291) 2651.32,-1293.68 2630.15,-1293.68 2597.91,-1325.91 v1@2597.91,-1334.09
RXD: R1.2 U1.25 | length 96.8
  Top Layer w6: U1.25@2460.26,-1491.45 U1.25@2460.14,-1491.57 2554.07,-1491.57 R1.2@2556,-1493.5
RXD0: J5.5 J6.5 MD1.34 R2.1 | length 1767.7
  Top Layer w6: R2.1@2556,-1370.5 2556,-1313 2583,-1286 2583,-841 2708,-716 2708,-287.02 2663.46,-242.48 MD1.34@2641.81,-242.48 2640.57,-241.24 v1(2585,-241.24)
  Bottom Layer w6: v1(2585,-241.24) 2586.65,-242.89 2586.65,-265.54 2625.28,-304.16 2625.28,-373.28 2671.61,-419.61 2717.95,-465.95 2794.09,-465.95 J5.5@2800.04,-460 J6.5@2915.04,-460
SD0: J5.18 J6.18 MD1.21 | length 1450.2
  Top Layer w6: MD1.21@2382.17,-731.85 2383.24,-730.77 v1(2383.24,-669.29)
  Bottom Layer w6: v1(2383.24,-669.29) 2384.81,-670.86 2399.86,-670.86 2605,-876 2605,-936.81 2646.04,-977.85 2646.04,-1136.89 2679,-1169.85 2679,-1284.31 2711.04,-1316.35 2711.04,-1552.71 2749,-1590.67 2749,-1669.45 2791.77,-1712.22 2791.77,-1751.73 J5.18@2800.04,-1760 J6.18@2915.04,-1760
SD1: J5.17 J6.17 MD1.22 | length 1320.6
  Top Layer w6: MD1.22@2432.17,-731.85 2432.67,-731.34 v1(2432.67,-669.29)
  Bottom Layer w6: v1(2432.67,-669.29) 2620,-856.62 2620,-930.6 2661.04,-971.64 2661.04,-1130.68 2694,-1163.64 2694,-1278.09 2726.04,-1310.13 2726.04,-1428.43 2736,-1438.39 2736,-1556.45 2791.77,-1612.22 2791.77,-1651.73 J5.17@2800.04,-1660 J6.17@2915.04,-1660
SD2: J2.16 J3.16 MD1.17 | length 1235.7
  Top Layer w6: MD1.17@2182.17,-731.85 2185.52,-728.5 v1(2185.52,-669.29)
  Bottom Layer w6: J3.16@1685.04,-1560 J2.16@1800.04,-1560 1850.43,-1509.61 1850.43,-1403.1 1868,-1385.54 1868,-1234.47 1880,-1222.47 1880,-1143.68 1890,-1133.68 1890,-1039.64 1955,-974.64 1955,-889 2172.03,-671.97 2182.84,-671.97 v1(2185.52,-669.29)
SD3: J2.17 J3.17 MD1.18 | length 1371.4
  Top Layer w6: MD1.18@2232.17,-731.85 2234.95,-729.07 v1(2234.95,-669.29)
  Bottom Layer w6: J3.17@1685.04,-1660 J2.17@1800.04,-1660 1802,-1658.04 1802,-1624 1866,-1560 1866,-1408.75 1885,-1389.75 1885,-1238.68 1896,-1227.68 1896,-1148.89 1905,-1139.89 1905,-1045.85 1970,-980.85 1970,-897 2175.71,-691.29 2194.63,-691.29 2216.63,-669.29 v1(2234.95,-669.29)
"SENSOR VN": J2.4 J3.4 MD1.5 | length 453.2
  Top Layer w6: MD1.5@1972.52,-242.48 1975,-240 v1(2030,-240)
  Bottom Layer w6: J3.4@1685.04,-360 J2.4@1800.04,-360 1850,-360 1970,-240 v1(2030,-240)
"SENSOR VP": J2.3 J3.3 MD1.4 | length 432.5
  Top Layer w6: MD1.4@1972.52,-192.48 1975,-190 v1(2030,-190)
  Bottom Layer w6: J3.3@1685.04,-260 J2.3@1800.04,-260 1870,-260 1940,-190 v1(2030,-190)
TXD: R2.2 U1.26 | length 112.4
  Top Layer w6: U1.26@2459.53,-1471.89 2508.75,-1471.89 2547.14,-1433.5 R2.2@2556,-1433.5
TXD0: J5.4 J6.4 MD1.35 R1.1 | length 1952.3
  Top Layer w6: v1(2511.1,-1316.24) 2513.78,-1313.56 2519.12,-1313.56 2565.28,-1267.4 2565.28,-703.57 2565,-703.28 2565,-686.72 2565.28,-686.43 2565.28,-671.92 2547,-653.64 v1(2547,-620) ; R1.1@2556,-1551.5 2565.99,-1541.5 v1(2605.97,-1541.5) ; v1(2585,-190) 2639.33,-190 MD1.35@2641.81,-192.48
  Bottom Layer w6: v1(2511.1,-1316.24) 2511.1,-1446.63 v1(2605.97,-1541.5) ; v1(2547,-620) 2547,-228 v1(2585,-190) 2630.04,-190 J5.4@2800.04,-360 J6.4@2915.04,-360
USB_DN: D3.2 J7.2 U1.5 | length 880.5
  Top Layer w6: J7.2@2293.04,-2114.7 2293.35,-2114.39 2293.35,-1846.65 2360.98,-1779.02 D3.2@2360.98,-1754 2360.98,-1730.98 v1(2360,-1730) ; v1(2345,-1360) 2345.18,-1360.18 2345.18,-1396.91 U1.5@2345.35,-1397.09
  Bottom Layer w6: v1(2345,-1360) 2280,-1425 2280,-1637.27 2358.86,-1716.14 2358.86,-1728.86 v1(2360,-1730)
USB_DP: D4.2 J7.3 U1.4 | length 896.6
  Top Layer w6: J7.3@2318.63,-2114.7 2313.76,-2109.83 2313.76,-2085.41 2307.35,-2079 2307.35,-1852.45 2389.02,-1770.78 2389.02,-1755 v1@2389.02,-1730.98 ; U1.4@2365.04,-1384.29 2365.93,-1383.41 2365.93,-1372.95 2374,-1364.87 v1(2374,-1360)
  Bottom Layer w6: v1@2374,-1363.53 2353.63,-1383.9 2340.9,-1383.9 2294,-1430.8 2294,-1631.47 2389.02,-1726.49 v1(2389.02,-1730)
VBUS: D1.2 D2.2 J7.1 R7.1 | length 900.7
  Top Layer w6: R7.1@2013.26,-1442.28 R7.1@2015.04,-1444.06 R7.1@2024.27,-1444.06
  Top Layer w21: D1.2@1940,-1442.28 R7.1@2013.26,-1442.28 ; R7.1@2024.27,-1444.06 2036,-1455.79 v1(2036,-1479) ; v1(2210,-1759) 2210.81,-1759 2232.8,-1780.98 D2.2@2240,-1780.98 2240,-1801.33 2215,-1826.33 2215,-2049.38 2262.68,-2097.07 2262.68,-2103.96 2264.24,-2105.52 2264.24,-2129.01 J7.1@2265.89,-2130.65
  Bottom Layer w6: v1(2036,-1479) v1@2038.68,-1481.68
  Bottom Layer w21: v1@2036.98,-1479.98 2036.57,-1480.39 2038.68,-1482.49 2038.68,-1518.68 2211,-1691 2211,-1758 v1(2210,-1759)
"VIN_Amplifier Left": "IC1_Amplifier Left.7" "R11_Amplifier Left.1" "SW8_Amplifier Left.2" | length 1104
  Top Layer w6: 3040.04,-1966.22 3206.18,-1966.22 3233.03,-1939.37 3246.89,-1939.37
  Top Layer w21: 3246.89,-1939.37 3478.66,-1707.6 3478.66,-1149.37
"VIN_Amplifier Right": "IC1_Amplifier Right.7" "R11_Amplifier Right.1" "SW8_Amplifier Right.2" | length 522.6
  Top Layer w6: 3050.04,-746.85 3086.89,-710 3246.89,-710 ; 3475.51,-896.85 3478.66,-900
  Top Layer w21: 3246.89,-710 3433.74,-896.85 3475.51,-896.85
pads on no net: "IC1_Amplifier Left.8" "IC1_Amplifier Left.9" "IC1_Amplifier Right.8" "IC1_Amplifier Right.9" J7.4 MD1.32 U1.10 U1.12 U1.13 U1.14 U1.15 U1.16 U1.17 U1.18 U1.19 U1.20 U1.21 U1.22 U3.

## Polygon pours and split planes (outlines as drawn)
+3.3 on Top Layer "+3.3_L01_P014" (solid, pour order 14): 2560,-795 2550,-785 2290,-785 2195,-880 2195,-950 2350,-950 2400,-900 2560,-900
+3.3 on Top Layer "+3.3_L01_P015" (solid, pour order 15): 2320,-1330 2175,-1330 2140,-1365 2140,-1450 2210,-1450 2210,-1415 2246.61,-1378.39 2325.67,-1378.39 2325.67,-1335.67
GND on Top Layer "GND_L01_P012" (solid, pour order 12): 2495,-2135 2450,-2090 2355,-2090 2355,-2295 2495,-2295
GND on Top Layer "GND_L01_P010" (solid, pour order 10): 2710,-1835 2670,-1795 2670,-1780 2665,-1780 2570,-1685 2470,-1685 2420,-1735 2420,-1795 2595,-1970 2600,-1965 2710,-1965
"VIN_Amplifier Left" on Top Layer "VIN_AMPLIFIER_LEFT_L01_P006" (solid, pour order 6): 3570,-1095 3410,-1095 3410,-1745 3260,-1895 3190,-1895 3190,-2000 3205,-2015 3360,-2015 3570,-1745 3570,-1705
"VIN_Amplifier Right" on Top Layer "VIN_AMPLIFIER_RIGHT_L01_P005" (solid, pour order 5): 3195,-665 3195,-745 3395,-945 3540,-945 3540,-865 3340,-665
+5 on Top Layer "+5_L01_P004" (solid, pour order 4): 3245,-855 3240,-855 3055,-855 3055,-1120 3010,-1165 3010,-1305 3130,-1305 3245,-1185 3245,-1180
+3.3 on Top Layer "+3.3_L01_P003" (solid, pour order 3): 1635,-15 1640,-20 1895,-20 1895,-80 1835,-140 1800,-105 1660,-105 1635,-80
GND on Top Layer "GND_L01_P000" (solid, pour order 0): 2409.49,-214.57 2133.9,-214.57 2133.9,-462.6 2409.49,-462.6
+5 on Bottom Layer "+5_L04_P008" (solid, pour order 8): 1410,-2260 1480,-2260 1865,-1875 1895,-1875 1895,-1805 1435,-1810 1410,-1835
+5 on Power (split plane): 3916.95,-2302.74 20.14,-2302.74 20.14,-20.1 942.44,-20.1 942.44,-2100 942.68,-2102.45 943.4,-2104.81 944.56,-2106.98 946.12,-2108.88 948.02,-2110.44 950.19,-2111.6 952.55,-2112.32 955,-2112.56 2990,-2112.56 2992.45,-2112.32 2994.81,-2111.6 2996.98,-2110.44 2998.88,-2108.88 3000.44,-2106.98 3001.6,-2104.81 3002.32,-2102.45 3002.56,-2100 3002.56,-20.1 3916.95,-20.1
+3.3 on Power (split plane): 2977.44,-2087.44 967.56,-2087.44 967.56,-20.1 2977.44,-20.1
GND on GND (split plane): 3916.95,-2302.74 20.14,-2302.74 20.14,-20.1 3916.95,-20.1

## Other copper
Power (plane layer: these items are gaps in the copper):
  lines w25: 955,0 955,-2100 2990,-2100 2990,0

## Silkscreen, mask and mechanical layers (free items; w line width, h text height)
Top Overlay:
  drawing of 113 lines, arcs and shapes, not listed
  text "5V" at 633,-237 h45
  text "Left" at 3593,-912 h45
  text "PWR" at 1947,-967 h45 r90
  text "5v" at 1107.97,-1002 h45
  text "3v3" at 1092.99,-1102.71 h45
  text "LR" at 1017,-1162 h45 r90
  text "Right" at 3593,-1177 h45
  text "SCK" at 1092.99,-1203.43 h45
  text "BCLK" at 1048,-1304.14 h45
  text "WS" at 1137.97,-1404.86 h45
  text "LED1" at 752,-1487 h45 r90
  text "LRC" at 1092.99,-1505.57 h45
  text "IO12" at 1017,-1567 h45 r90
  text "SD" at 1137.97,-1606.29 h45
  text "DIN" at 1100.48,-1707 h45
  text "LED2" at 752,-1912 h45 r90
  text "IO13" at 1017,-1977 h45 r90
  text "EN" at 1913,-2022 h45
  text "BOOT" at 2583,-2022 h45
  text "5v" at 1373,-2042 h45
Bottom Overlay:
  circle w10: c1297.52,-341.54 r295.28
Board Outline:
  the board outline again, w25
Mechanical 13:
  lines w6: 1750.04,-1907.48 2848.46,-1907.48